# Altium PCB Power_Board_PCB.PcbDoc (part 2 of 3)
Units mm, origin at the board's own origin, x right, y up, seen from the top; angles counter-clockwise.
Board outline 172.72 x 88.9 mm, 2 copper layers (Top Layer, Bottom Layer); 217 components, 117 nets, 695 pads, 319 vias.
Unrouted connection lines stored in the file: 1.
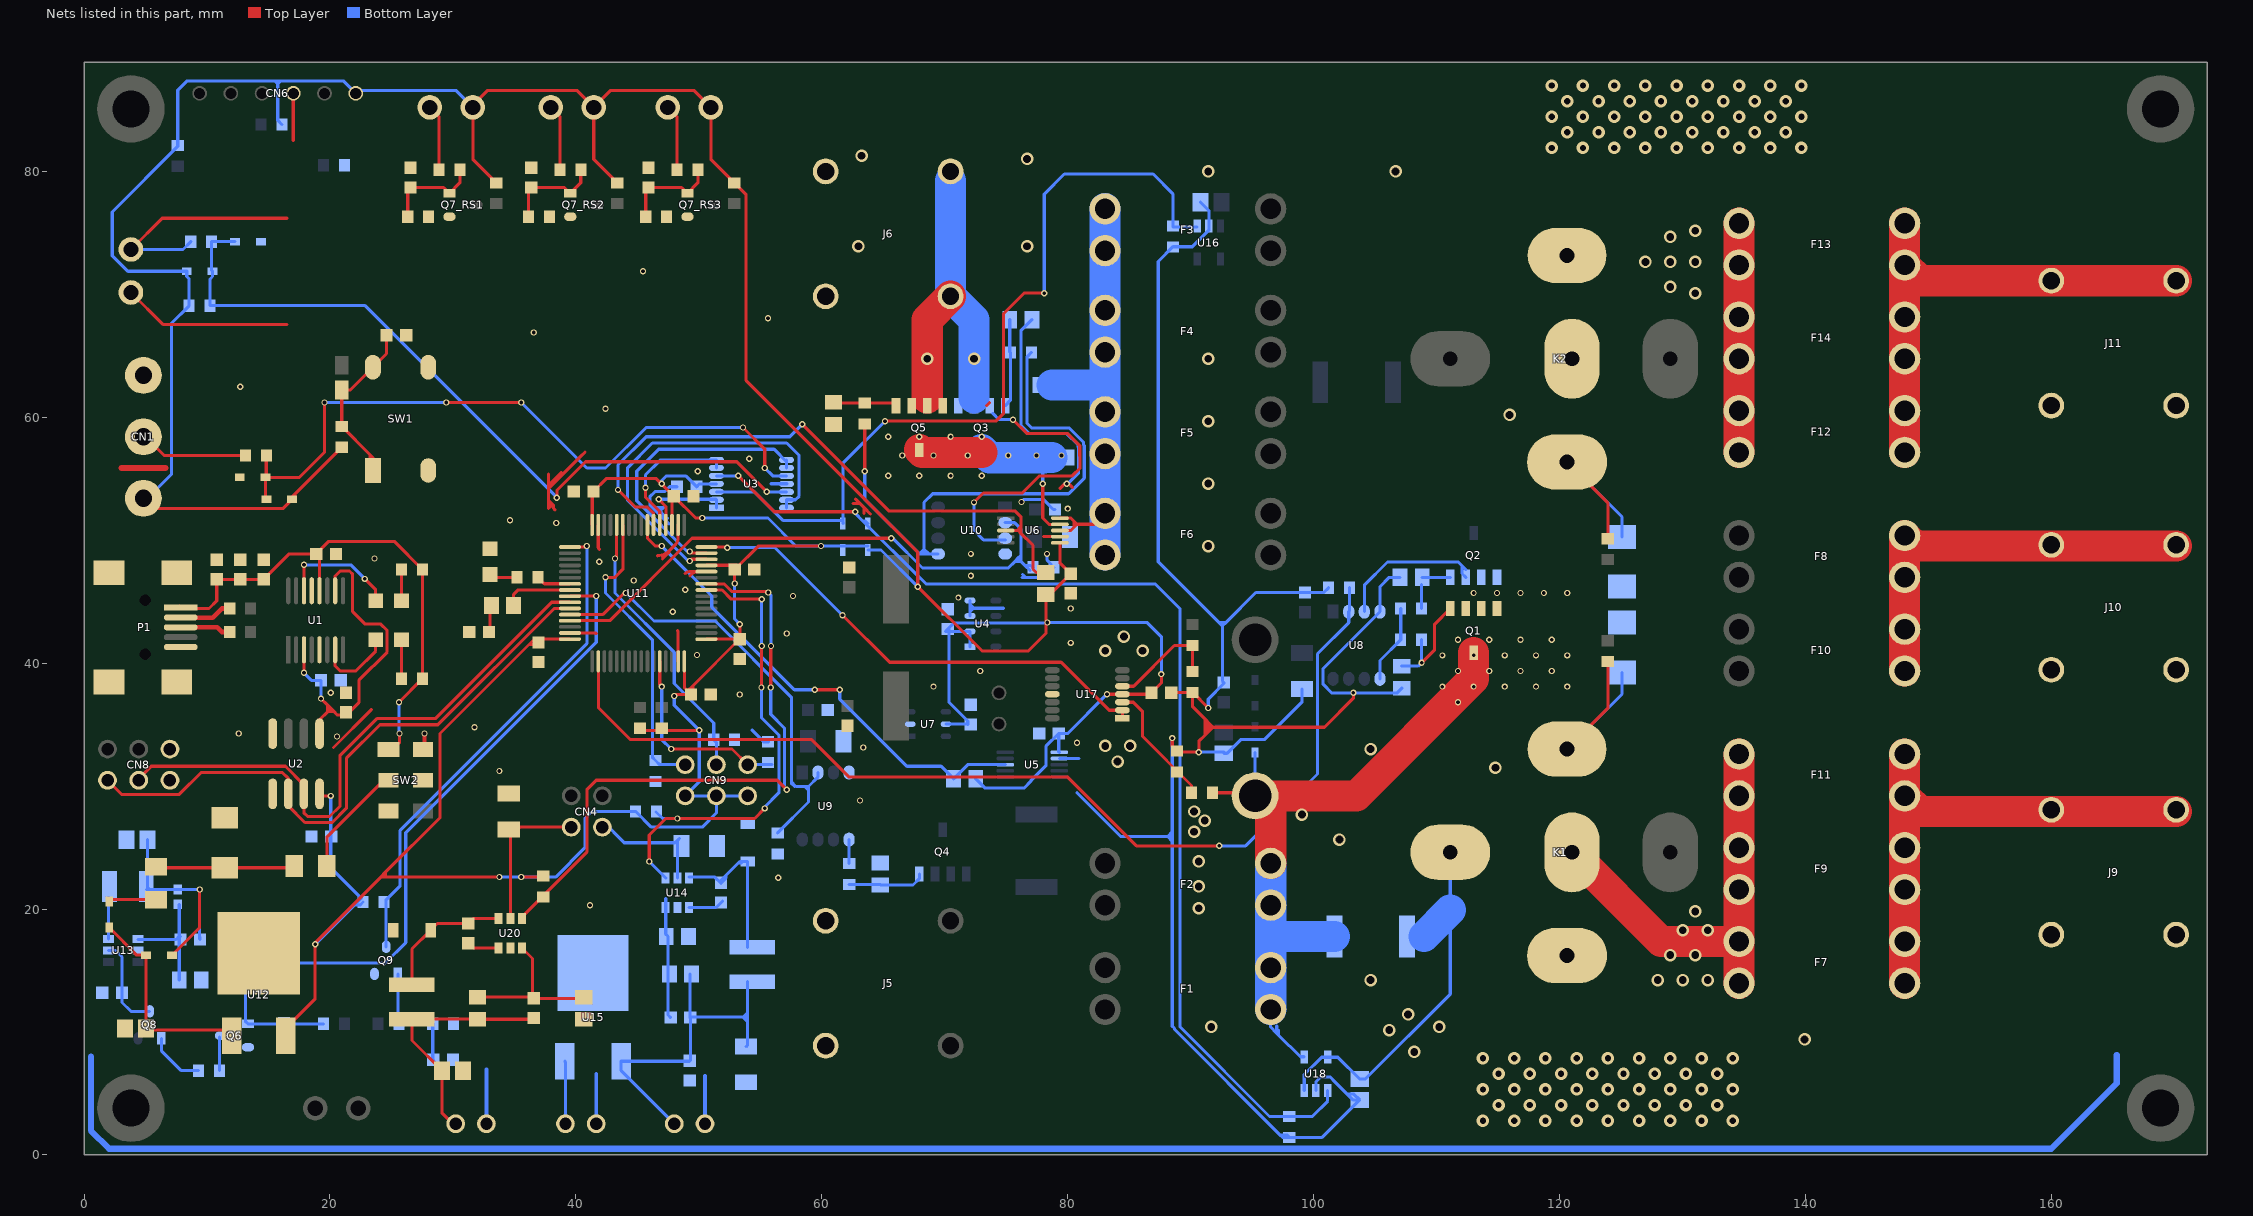
[diagram p2: the nets of this part, all layers, seen from the top]

## Part data
C1 C2 C3 C4 C5 C6 C11 C14 C15 C16 C18 C20 C21 C28_RS1 C28_RS2 C28_RS3 C30 C31 C39 C40: library part "0.1uF 100V 0603 SMD, Ceramic", "Capacitor, Ceramic, 100V, +/- 10%, 0603 SMD, X7R", Supplier Part Number 1=445-6938-1-ND, Created By="Ashwin Sira", MFG=TDK, MFG#=CGA3E3X7S2A104K080AB, PackageDescription="Chip Capacitor", Published=16-04-26, Publisher=AUVic, Supplier 1=Digi-Key
C7 C42 C43 C44: library part "1uF 50V 0603 SMD, Ceramic", "Capacitor, Ceramic, 50V, +/- 10%, 0603 SMD, X5R", Supplier Part Number 1=1276-1860-6-ND, Created By="Lyden Smith", Date Created=2017-10-26, PackageDescription="Chip Capacitor", Supplier 1=Digi-Key
C8 C9 C10 C32: library part "10uF 50V 1206 SMD, Ceramic", "Capacitor, Ceramic, 50V, +/- 10%, 1206 SMD, X5R", Supplier Part Number 1=1276-2876-1-ND, PackageDescription="Chip Capacitor", Published=14-06-01, Publisher=AUVic, Supplier 1=Digi-Key
C12 C13: library part "30pF 50V 0603 SMD, Ceramic", "Capacitor, Ceramic, 50V, +/-1%, 0603 SMD, C0G", Supplier Part Number 1=1276-2259-1-ND, Made by="Andy Bates", PackageDescription="Chip Capacitor", Published=16-09-12, Publisher=AUVic, Supplier 1=Digi-Key
C17 C19 C29: library part "1uF 25V 0603 SMD, Ceramic", "Capacitor, Ceramic, 25V, +/- 10%, 0603 SMD, X5R", Supplier Part Number 1=490-3897-1-ND, Created By="Andy Bates", MFG=Murata-Electronics-North-America, MFG#=GRM188R61E105KA12D, PackageDescription="Chip Capacitor", Published=16-06-27, Publisher=AUVic, Supplier 1=Digi-Key
C22: library part "180pF 50V 0603 SMD, Ceramic", "Capacitor, Ceramic, 50V, +/-5%, 0603 SMD, NP0", Supplier Part Number 1=1276-1255-1-ND, Created By="Lyden Smith", Date Created=2017-09-22, PackageDescription="Chip Capacitor", Supplier 1=Digi-Key
C23 C36: library part "10uF 10V 0805 SMD, Ceramic", "Capacitor, Ceramic, 10V, +/- 10%, 0805 SMD, X5R", Supplier Part Number 1=490-4735-1-ND, Made by="Andy Bates", PackageDescription="Chip Capacitor", Published=14-06-23, Publisher=AUVic, Supplier 1=Digi-Key
C24: library part "2.2uF, 50V, 0603 SMD, X5R, Ceramic", "Capacitor, Ceramic, 50V, 10%, 0603 SMD, X5R", Supplier Part Number 1=490-10733-1-ND, PackageDescription="Chip Capacitor", Publisher=AUVic, Supplier 1=Digi-Key
C25 C41: library part "22uF 35V 0805 SMD, Ceramic", "Capacitor, Ceramic, 35V, +/- 20%, 0805 SMD, X5R", Supplier Part Number 1=445-14428-1-ND, PackageDescription="Chip Capacitor", Published=14-06-01, Publisher=AUVic, Supplier 1=Digi-Key
C26 C27: library part "0.015uF 50V 0603 SMD, Ceramic", "Capacitor, Ceramic, 50V, +/-10%, 0603 SMD, X7R", Supplier Part Number 1=1276-1277-1-ND, Created By="Lyden Smith", Created On=2017-06-04, Supplier 1=Digi-Key
C33: library part "0.33uF 50V 0603 SMD, Ceramic", "Capacitor, Ceramic, 50V, +/- 10%, 0603 SMD, X5R", Supplier Part Number 1=445-7462-1-ND, Created By="Andy Bates", MFG=TDK, MFG#=C1608X5R1H334K080AB, PackageDescription="Chip Capacitor", Published=16-06-29, Publisher=AUVic, Supplier 1=Digi-Key
C34 C37: "CAP CER 0.1UF 50V 10% X7R 1608 (0603)", Capacitance=0.1µF, Manufacturer="Samsung Electro-Mechanics America, Inc", Manufacturer Part Number=CL10B104KB8SFNC, Operating Temperature="-55°C ~ 125°C", Package / Case="0603 (1608 Metric)", Ratings=-, Supplier Part Number 1=1276-1936-1-ND, Temperature Coefficient=X7R, Tolerance=±10%, Voltage - Rated=50V, Applications="Boardflex Sensitive", Category=Capacitors, ComponentLink1Description=http://www.samsungsem.com/servlet/FileDownload?type=spec&file=CL10B104KB8SFNC.pdf, ComponentLink1URL=http://www.samsungsem.com/servlet/FileDownload?type=spec&file=CL10B104KB8SFNC.pdf, Features="Soft Termination", Height - Seated (Max)=-, Lead Spacing=-, Lead Style=-, Mounting Type="Surface Mount, MLCC", Packaging="Cut Tape (CT)", Pricing 1="1=0.12, 10=0.033, 25=0.0232, 100=0.0152, 500=0.01064, 1000=0.00829 (CAD)", RoHS="RoHS Compliant", Size / Dimension="0.063\" L x 0.031\" W (1.60mm x 0.80mm)", Stock 1=743572, Supplier 1=Digi-Key, Thickness (Max)="0.035\" (0.90mm)"
C35 C38: library part "4.7uF 50V 1206 SMD, Ceramic", "Capacitor, Ceramic, 50V, +/- 10%, 1206 SMD, X7R", Supplier Part Number 1=587-2994-1-ND, Created By="Lyden Smith", Created On=2017-06-04, Supplier 1=Digi-Key
C45 C46: library part "0.1uF 16V 0603 SMD, Ceramic", "Capacitor, Ceramic, 16V, +/- 10%, 0603 SMD, X7R", Supplier Part Number 1=1276-1005-1-ND, Created By="Andy Bates", PackageDescription="Chip Capacitor", Published=16-04-26, Publisher=AUVic, Supplier 1=Digi-Key
C47 C48: library part "0.1uF 50V 0805 SMD, Ceramic", "Capacitor, Ceramic, 50V, +/-5%, 0805 SMD, X7R", Supplier Part Number 1=1276-1090-1-ND, PackageDescription="Chip Capacitor", Published=2016-03-16, Publisher=AUVic, Supplier 1=Digi-Key
CN1: Supplier Part Number 1=277-1578-ND, Date Published=2014-06-03, Publisher="AUVic, Ashwin Sira", Supplier 1=Digi-Key
CN2 CN3 CN5: Supplier Part Number 1=455-2934-ND, Created By="Lyden Smith", Created On=2018-01-27, Supplier 1=Digi-Key, Supplier 2=Digi-Key, Supplier Part Number 2=455-1611-ND
CN6: library part "Header, Male, 1x6", "1x6, Pads Pitch: 0.1\" (2.54mm), Through hole", Supplier 1 Part Number=952-2270-ND, Made Bates="Andy Bates", Supplier 1=Digikey
D1 D4 D5 D6 D7 D8 D11 D12: "Diode, Schottky, 30V, 800mA", Created By="Andy Bates", Date Created=2016-09-09, Publisher=AUVic, Supplier 1=Digi-Key, Supplier Part Number 1=CUS08F30H3FCT-ND
D2 D9: library part "LED, 0805 (2012), Green, Clear", "LED, 0805 (2012), Green, Clear", Supplier Part Number 1=475-1410-1-ND, Colour=Red, Created By="Andy Bates", Supplier 1=Digi-Key
D3: library part "LED, 0805 (2012), Red, Clear", "LED, 0805 (2012), Red, Clear", Supplier Part Number 1=732-4984-1-ND, Colour=Red, Created By="Ashwin Sira", Supplier 1=Digi-Key
D10: library part "LED, 0603 (1608), Blue, Clear", "LED, 0603 (1608), Blue, Clear", Supplier Part Number 1=475-2816-6-ND, Colour=Blue, Created By="Lyden Smith", Date Created=2017-09-19, Supplier 1=Digi-Key
D13 D16: "Diode, Schottky, 60V, 2A", Supplier Part Number 1=RB060M-60CT-ND, Created By="Lyden Smith", Date Created=2017-06-02, Supplier 1=Digi-Key
D14 D15: "Diode, Schottky, 20V, 30mA", Supplier Part Number 1=DB2J31400LCT-ND, Created By="Ashwin Sira", Date Created=2016-06-08, Publisher=AUVic, Supplier 1=Digi-Key
D17 D18: Forward Voltage Drop=1.1V, Supplier Part Number 1=P15187CT-ND, Created By="Andy Bates", Date Created=2016-09-08, Publisher=AUVic, Supplier 1=Digi-Key
D19: library part SMBJ5340B-TPMSCT-ND, "DIODE ZENER 6V 5W DO214AA", Supplier Part Number 1=SMBJ5340B-TPMSDKR-ND, Zener Voltage=6V, Created By="Lyden Smith", Created On=2018-01-25, Supplier 1=Digi-Key
F1 F2 F3 F4 F5 F6 F7 F8 F9 F10 F11 F12 F13 F14: library part "MINI, ATC, ATO, etc. Blade Fuse", "Blade Fuse Holder, 30A", Supplier Part Number 1=36-3557-2-ND, Created By="Lyden Smith", Date Created=2018-01-11, Supplier 1=Digi-Key, Type=MINI
F15 F16: library part "SMD Fuse, 250mA, 63V, 1206", "SMD Fuse, 250mA, 63V, 1206", Supplier Part Number 1=507-1073-6-ND, Created By="Lyden Smith", Date Created=2018-02-05, Supplier 1=Digi-Key, Type=SMD
J1 J3_RS1 J3_RS2 J3_RS3 J4: library part "2x1 Terminal Block", Supplier Part Number 1=ED2740-ND, Made by="Andy Bates", Supplier 1=Digikey
J5 J6 J9 J10 J11: library part "2x1 Terminal Block, 65A, 6-20AWG", Supplier Part Number 1=283-4339-ND, Date Made=2017-11-13, Made by="Lyden Smith", Supplier 1=Digi-Key
JP1: library part "1x2 Male Header", Supplier 1 Part Number=952-3073-ND, Made by="Andy Bates", Supplier 1=Digikey
K1 K2: library part "Relay, 1 Form C, SPDT, 24V, 40A", "Relay, 1 Form C, SPDT, 24V, 40A", Supplier Part Number 1=PB1042-ND, Supplier 1=Digi-Key
L1: library part CB2518T151K, "150µH 210mA 4.6Ohm", Supplier Part Number 1=587-3037-6-ND, Created By="Lyden Smith", Created On=2017-06-05, Supplier 1=Digi-Key
L2: library part NR4018T100M, "10uH 840mA", Supplier Part Number 1=587-1664-1-ND, Created By="Lyden Smith", Created On=2017-06-04, Supplier 1=Digi-Key
L3: library part NR4018T6R8M, "6.8uH 1.06A", Supplier Part Number 1=587-2657-1-ND, Created By="Lyden Smith", Created On=2017-06-02, Supplier 1=Digi-Key
MH1 MH2 MH3 MH4: library part Mount_Hole_3mm
P1: "Mini B USB Port - Female", Supplier Part Number 1=151-1206-1-ND, Created By="Gabriel Green", Created On="July 5, 2017", Supplier 1=Digi-Key
Q1 Q2 Q3 Q4 Q5: "MOSFET N-Channel, 40V, 100A, 272W, Enh-Mode", Supplier Part Number 1=568-10156-1-ND, Created By="Ashwin Sira", Latest_Revision_By="Ashwin Sira", Latest_Revision_Date=2016_04_26, Latest_Revision_Note="Attached footprint", MFG="NXP Semiconductors", MFG#=PSMN1R8-40YLC,115, Publisher=AUVic, Reviewed_By="Ashwin Sira", Reviewed_Date=2016_04_26, Supplier 1=Digi-Key
Q6 Q7_RS1 Q7_RS2 Q7_RS3 Q9: "NPN 65V 100mA 250mW", Supplier Part Number 1=568-1632-1-ND, DatasheetVersion=1997, LatestRevisionDate=09-Sep-2016, Published=8-Jun-2000, Publisher="Andy Bates", Supplier 1=Digi-Key
Q8: "PNP 65V 100mA 250mW", Supplier Part Number 1=568-4869-1-ND, LatestRevisionDate=15-Jan-2003, Published=8-Jun-2000, Supplier 1=Digi-Key
R1 R13 R14 R19 R21 R22 R23 R25 R30_RS1 R30_RS2 R30_RS3 R31_RS1 R31_RS2 R31_RS3 R32_RS1 R32_RS2 R32_RS3 R56 R57 R60 R61 R62: library part "10kR, 1%, 1/10W, 0603 SMD", "10kR, 1%, 1/10W, 0603 SMD", Supplier Part Number 1=311-10.0KHRCT-ND, Created On=14-05-31, Last Edited=14-05-31, Made by="Ashwin Sira", Owned By=AUVic, Supplier 1=Digi-Key
R2 R4 R7: library part "1kR, 1%, 1/10W , 0603, SMD", "1kR, 1%, 1/10W , 0603, SMD", Supplier Part Number 1=311-1.00KHRCT-ND, Created By="Andy Bates", Date Created=2017-05-10, Publisher=AUVic, Supplier 1=Digikey
R3: library part "100R, 1%, 1/10W, 0603 SMD", "100R, 1%, 1/10W, 0603 SMD", Supplier Part Number 1=311-100HRCT-ND, Created On=16-09-10, Last Edited=16-09-10, Made by="Andy Bates", Owned By=AUVic, Supplier 1=Digi-Key
R5 R6 R44 R45 R49 R50 R51: library part "100kR, 1%, 1/4W, 0805 SMD", "100kR, 1%, 1/4W, 0805 SMD", Supplier Part Number 1=311-1.00MCRCT-ND, Created On=14-05-31, Last Edited=14-05-31, Made by="Ashwin Sira", Owned By=AUVic, Supplier 1=Digi-Key
R8 R9 R11 R12: library part "0.0003R, 1%, 3W, 2512 SMD", "0.0003R, 1%, 3W, 2512 SMD", Created On=14-05-31, Last Edited=14-05-31, Made by="Ashwin Sira", Owned By=AUVic, Supplier 1=Digi-Key
R10 R41: library part "27 Ohm, 1%, 1/10W , 0603, SMD", "27 Ohm, 1%, 1/10W , 0603, SMD", Supplier Part Number 1=311-27.0HRCT-ND, Created By="Andy Bates", Date Created=2017-10-13, Publisher=AUVic, Supplier 1=Digi-Key
R15 R16: library part "3.32k, 1%, 1/10W, 0603, SMD", "3.32k, 1%, 1/10W, 0603, SMD", Supplier Part Number 1=RMCF0603FT3K32CT-ND, Created By="Ashwin Sira", Date Created=2016-06-25, Publisher=AUVic, Supplier 1=Digi-Key
R17: library part "715R, 1%, 1/10W, 0603, SMD", "715R, 1%, 1/10W, 0603, SMD", Supplier Part Number 1=541-715HCT-ND, Created By="Ashwin Sira", Date Created=2016-06-10, Publisher=AUVic, Supplier 1=Digi-Key
R18 R39: library part "680, 5%, 1/8W, 0805 SMD", "680, 5%, 1/8W, 0805 SMD", Supplier Part Number 1=RMCF0805JT680RCT-ND, Created By="Lyden Smith", Created On=2017-06-04, Supplier 1=Digi-Key
R20 R24 R26 R27 R28 R29: library part "100kR, 1%, 1/10W, 0603 SMD", "100kR, 1%, 1/10W, 0603 SMD", Supplier Part Number 1=311-100KGRCT-ND, Created On=14-06-30, Last Edited=14-06-30, Made by="Andy Bates", Owned By=AUVic, Supplier 1=Digi-Key
R33: library part "140kR, 1%, 1/16W, 0402, SMD", "140kR, 1%, 1/16W, 0402, SMD", Supplier Part Number 1=YAG2978CT-ND, Created By="Lyden Smith", Date Created=2017-09-22, Publisher=AUVic, Supplier 1=Digi-Key
R34: library part "24k, 5%, 1/8W, 0805 SMD", "24k, 5%, 1/8W, 0805 SMD", Supplier Part Number 1=RMCF0805JT24K0CT-ND, Created By="Lyden Smith", Created On=2017-06-04, Supplier 1=Digi-Key
R35: library part "510, 5%, 1/8W, 0805 SMD", "510, 5%, 1/8W, 0805 SMD", Supplier Part Number 1=RMCF0805JT510RCT-ND, Created By="Lyden Smith", Created On=2017-06-04, Supplier 1=Digi-Key
R36: library part "7.5k, 5%, 1/8W, 0805 SMD", "7.5k, 5%, 1/8W, 0805 SMD", Supplier Part Number 1=311-7.5KARCT-ND, Created By="Lyden Smith", Created On=2017-06-04, Supplier 1=Digi-Key
R37 R38: library part "453kR, 1%, 1/10W, 0603 SMD_1", "453kR, 1%, 1/10W, 0603 SMD", Supplier Part Number 1=311-453KHRDKR-ND, Created By="Lyden Smith", Date Created=2017-10-13, Supplier 1=Digi-Key
R40: library part "3.9k, 5%, 1/8W, 0805 SMD", "3.9k, 5%, 1/8W, 0805 SMD", Supplier Part Number 1=RMCF0805JT3K90CT-ND, Created By="Lyden Smith", Created On=2017-06-04, Supplier 1=Digi-Key
R42 R43 R46 R47 R48 R58 R59: library part "20.5 Ohm, 1%, 1/10W , 0603, SMD", "20.5 Ohm, 1%, 1/10W , 0603, SMD", Supplier Part Number 1=P20.5HCT-ND, Created By="Gabriel Green", Date Created=2017-06-23, Publisher=AUVic, Supplier 1=Digi-Key
R52 R53: library part "20k, 1%, 1/10W, 0603, SMD", "20k, 1%, 1/10W, 0603, SMD", Supplier Part Number 1=311-20.0KHRCT-ND, Created By="Andy Bates", Date Created=2016-09-8, Publisher=AUVic, Supplier 1=Digi-Key
R54 R55: library part "90.9k, 1%, 1/10W, 0603, SMD", "90.9k, 1%, 1/10W, 0603, SMD", Supplier Part Number 1=311-90.9KHRDKR-ND, Created By="Andy Bates", Date Created=2017-06-06, Publisher=AUVic, Supplier 1=Digikey
SW1: library part "4 pin Tacitle Switch", Supplier 1 Part Number=CKN9084CT-ND, Button Type="Single Pole Single Throw", Made by="Andy Bates", Supplier 1=Digikey
SW2: library part "DPDT, 12V, 200mA, SMT", "DPDT, 12V, 200mA, SMT", Supplier Part Number 1=563-1338-1-ND, Created By="Lyden Smith", Date Created=2017-09-20, Supplier 1=Digi-Key
U1: library part "FTDI - USB to UART", Supplier Part Number 1=768-1135-1-ND, Created By="Gabriel Green", Created On="July 5th, 2017", Supplier 1=Digi-Key
U2: library part "UART Isolators 1Mbps 2.7-5.5V", "UART Isolators 1/1 1Mbps", Supplier Part Number 1=SI8422AB-D-IS-ND, Created On=2017/09/10, Made by="Andy Bates", Supplier 1=Digi-Key
U3 U17: "LM324", Supplier Part Number 1=497-13053-1-ND, Created By=Silvano, Creation Date=05/10/2017, Supplier 1=Digi-Key
U4: library part "MS560702BA03-50 Pressure Sensor", "1kPa to 120 kPa", Supplier Part Number 1=223-1198-6-ND, Created On=2017-09-11, Made by="Andy Bates", Supplier 1=Digi-Key
U5 U6: library part "INA226AIDGSR, Current Sensor, High Side", "0-36V High side current sensor", Supplier 1 Part Number=296-29034-1-ND, Created On=2016-09-06, Made by="Andy Bates", Supplier 1=Digikey, Supplier 2=Digi-Key, Supplier Part Number 2=296-29034-1-ND
U7: library part Si700XX, Supplier Part Number 1=336-3140-5-ND, Created On=2019/09/08, Made by="Andy Bates", Supplier 1=Digi-Key
U8 U9 U10: library part "Gate Driver TTL Logic 3 - 30V", Supplier Part Number 1=576-1233-1-ND, Supplier 1=Digi-Key
U11: Supplier 1 Part Number=497-15167-ND, Made by="Andy Bates", Supplier 1=Digikey
U12: library part "3.3V TO-252 Linear Regulator", Supplier Part Number 1=LP2950ACDT-3.3RGOSCT-ND, Supplier 1=Digi-Key
U13: "Adjustable Buck, 100mA, SOT-23", Supplier Part Number 1=RT6208GECT-ND, Created By="Lyden Smith", Created On=2017-06-05, Supplier 1=Digi-Key
U14 U20: library part BD9G101G-TR, "DC-DC Regulator, 6V-42V in, 1V-29.4V out, 500mA", Supplier Part Number 1=BD9G101G-CT-ND, Supplier 1=Digi-Key
U15: library part MC78M09CDTRKG, "9V Linear Regulator, 500mA", Supplier Part Number 1=MC78M09CDTRKGOSCT-ND, Created By="Lyden Smith", Created On=2017-06-05, Supplier 1=Digi-Key
U16 U18: Supplier Part Number 1=296-36536-1-ND, Created By="Jacob Lower", Created On=2016-03-16, Publisher=AUVic, Supplier 1=Digi-Key
X1: library part "Oscillator 8MHz 40ESR", "8Mhz 40ESR  16pF -20°C ~ 70°C", Supplier Part Number 1=GC0800044CT-ND, Date Made=2017-09-18, Made by="Lyden Smith", Supplier 1=Digi-Key
CN4: Created By="Lyden Smith", Date Published=2018-01-27, Publisher=AUVic
CN8 CN9: Created By="Andy Bates", Date Published=2017-09-13, Publisher=AUVic
J2: Created By="Lyden Smith", Created On=2018-01-29
SB1: Created On=2016/09/08, Made by="Andy Bates"

## Via types
v1: diameter 0.508, hole 0.3, Top Layer to Bottom Layer, 182 vias
v2: diameter 1.016, hole 0.508, Top Layer to Bottom Layer, 86 vias
v3: diameter 1.016, hole 0.635, Top Layer to Bottom Layer, 51 vias

## Nets (pads, with @x,y where several pads share a name; then routed paths per layer and width w, separated by ;. In a path a pad name is that pad's centre, name@x,y a point inside that pad or via, vN(x,y) a via of type N, cw(c..) or ccw(c..) an arc to the next point about the centre after c; other vN are vias at no path point)
3V3: C3.2 C4.2 C5.2 C6.2 C14.2 C15.2 C16.2 C17.2 C18.2 C19.2 C40.2 C45.2 C46.2 CN1.1 CN6.1 CN9.4 CN9.5 CN9.6 D1.K D4.K D14.1 D15.1 J3_RS1.1 J3_RS2.1 J3_RS3.1 R1.2 R5.2 R6.2 R14.2 R15.1 R16.1 R19.2 R20.2 R28.2 R32_RS1.2 R32_RS2.2 R32_RS3.2 R52.2 R53.2 U2.8 U3.4 U4.1 U4.2 U5.6 U6.6 U7.5 U11.1 U11.13 U11.19 U11.32 U11.48 U11.64 U12.3 U17.4 | length 437.7
  Top Layer w0.254: CN1.1@5.08,53.34 5.842,52.578 16.163,52.578 D4.K@16.925,53.34 ; U12.3@16.764,10.668 18.796,12.7 v1(18.796,17.145) 18.796,17.272 24.13,22.606 ; U2.8@19.152,29.376 19.318,29.21 v1(20.066,29.21) ; R20.2@20.955,57.57 17.145,53.76 ; R32_RS1.2@33.528,79.082 31.623,80.987 J3_RS1.1@31.623,85.217 31.623,85.383 32.838,86.598 40.077,86.598 J3_RS2.1@41.458,85.217 ; v1(33.782,22.606) 24.511,22.606 ; v1(35.56,22.606) 37.25,22.606 R52.2@37.338,22.694 R52.2@37.592,22.948 ; C17.2@36.83,41.948 C17.2@36.852,41.97 ; C17.2@36.957,41.694 cw(c36.559,42.092) 36.559,41.529 36.195,41.529 ; U11.48@39.535,41.97 C17.2@36.852,41.97 ; U11.32@41.335,51.27 41.335,53.87 C19.2@41.44,53.975 42.478,55.013 46.549,55.013 v1@46.99,54.572 ; R32_RS2.2@43.363,79.082 41.458,80.987 J3_RS2.1@41.458,85.217 ; R16.1@45.212,34.71 45.378,34.544 v1(50.038,34.544) ; v1(46.99,54.61) v1@46.99,54.572 ; U11.19@47.835,51.27 47.835,53.461 C18.2@47.968,53.594 ; v1(48.006,37.338) 48.133,37.465 C16.2@49.365,37.465 ; U11.64@48.835,40.17 48.835,37.995 C16.2@49.1,37.73 ; v1(50.292,51.816) 49.746,51.816 C18.2@47.968,53.594 ; U11.1@50.635,41.97 C14.2@53.318,41.97 ; U11.13@50.635,47.97 53.012,47.97 C15.2@53.048,48.006 ; v1(52.921,46.482) C15.2@52.921,47.625 54.826,49.53 v1(59.944,49.53) ; v1(53.34,43.18) C14.2@53.34,41.948 C14.2@53.318,41.97 ; v1(78.359,43.307) v1@78.232,43.434 ; U6.6@79.375,49.8 79.375,48.171 C6.2@80.264,47.282 78.564,45.582 R6.2@78.232,45.582 v1@78.232,43.434 ; v1(83.2,37.48) U17.4@84.455,37.48 86.718,37.48 C45.2@86.83,37.592 87.63,38.392 v1(87.63,39.116) ; D4.K@16.925,53.34 17.145,53.56 17.145,53.76 ; D4.K@16.925,53.34 16.925,53.54 17.145,53.76 ; 24.13,22.606 24.511,22.606 ; 24.13,22.606 24.511,22.987 ; 24.511,22.606 24.511,22.987 ; 24.511,22.987 28.956,27.432 28.956,34.29 36.195,41.529 ; 36.195,41.529 36.636,41.97 C17.2@36.852,41.97 ; J3_RS2.1@41.458,85.217 42.839,86.598 49.602,86.598 J3_RS3.1@50.983,85.217 50.983,80.987 R32_RS3.2@52.888,79.082 53.848,78.122 53.848,62.992 67.818,49.022 v1(67.818,46.228) 73.05,40.996 76.81,40.996 78.232,42.418 v1@78.232,43.434 ; v1@46.99,54.572 C18.2@47.968,53.594 ; C16.2@49.1,37.73 49.1,37.752 49.53,38.182 ; C16.2@49.1,37.73 C16.2@49.365,37.465 ; C16.2@49.365,37.465 49.53,37.63 49.53,38.182 ; 49.53,38.182 C14.2@53.318,41.97
  Bottom Layer w0.254: CN1.1@5.08,53.34 7.112,55.372 7.112,67.652 R1.2@8.548,69.088 8.548,71.255 8.348,71.455 D1.K@8.348,71.882 3.556,71.882 2.286,73.152 2.286,76.708 7.62,82.042 R19.2@7.62,82.13 7.62,86.614 8.382,87.376 15.494,87.376 ; R14.2@16.09,83.82 15.748,84.162 15.748,87.122 ; v1(18.796,17.145) 21.971,20.32 ; v1(20.066,29.21) 20.066,23.368 22.543,20.892 21.971,20.32 ; R28.2@22.684,20.574 22.43,20.32 21.971,20.32 ; J3_RS1.1@31.623,85.217 30.242,86.598 22.098,86.598 CN6.1@22.098,86.36 21.082,87.376 16.002,87.376 ; v1(33.782,22.606) v1(35.56,22.606) 38.354,22.606 40.767,25.019 40.767,27.397 41.31,27.94 R53.2@44.87,27.94 46.14,26.67 50.292,26.67 51.435,27.813 CN9.5@51.435,29.21 ; v1(46.99,54.61) 46.99,54.864 47.371,55.245 48.933,55.245 C46.2@49.822,54.356 50.061,54.595 U3.4@51.435,54.595 ; v1(48.006,37.338) 48.006,36.576 v1(50.038,34.544) 50.038,30.353 CN9.6@48.895,29.21 CN9.5@51.435,29.21 ; v1(50.292,51.816) 55.626,51.816 57.912,49.53 v1(59.944,49.53) D15.1@63.754,49.53 ; v1(52.921,46.482) 52.921,43.599 v1(53.34,43.18) ; CN9.4@53.975,29.21 CN9.5@51.435,29.21 ; D15.1@63.754,49.217 64.829,49.217 v1(67.818,46.228) ; U7.5@70.104,35.052 71.844,35.052 71.882,35.014 71.882,35.306 70.358,36.83 C3.2@70.358,42.596 ; U4.1@72.068,41.346 U4.2@72.068,42.596 C3.2@70.358,42.596 ; R5.2@72.528,30.607 73.29,29.845 76.454,29.845 77.013,30.404 77.013,30.441 78.232,31.66 78.232,33.236 C4.2@79.286,34.29 ; U5.6@79.33,32.75 79.286,32.794 C4.2@79.286,34.29 ; v1(83.2,37.48) 80.01,34.29 C4.2@79.286,34.29 ; v1(87.63,39.116) 87.63,42.164 86.487,43.307 v1(78.359,43.307) 78.318,43.266 70.736,43.266 C3.2@70.358,42.888 ; 15.494,87.376 15.748,87.122 ; 15.494,87.376 15.748,87.376 ; 15.748,87.122 16.002,87.376 ; 15.748,87.122 15.748,87.376 ; 15.748,87.376 16.002,87.376 ; C3.2@70.358,42.596 C3.2@70.358,42.888 ; C3.2@70.358,42.596 70.066,42.596 C3.2@70.256,42.786 C3.2@70.358,42.888
3V3-USB: C2.2 C39.2 U1.3 U1.10 U2.1 | length 28.7
  Top Layer w0.254: v1(17.882,39.218) U1.3@17.882,41.097 ; U2.1@19.152,34.276 19.152,35.408 19.812,36.068 ; v1(19.266,37.122) 19.812,36.576 ; U1.10@20.422,45.897 20.422,47.092 20.828,47.498 21.59,47.498 21.844,47.244 21.844,44.196 22.86,43.18 24.13,43.18 24.645,42.665 24.645,40.901 22.352,38.608 22.352,36.792 21.336,35.776 20.651,35.776 ; 20.612,35.776 20.256,36.131 ; 19.812,36.068 20.256,36.068 20.256,36.131 ; 19.812,36.068 19.998,36.254 20.134,36.254 ; 19.812,36.068 19.812,36.576 ; 19.812,36.576 20.134,36.254 ; 20.134,36.254 20.256,36.131
  Bottom Layer w0.254: v1(17.882,39.218) 18.491,38.608 C2.2@19.266,38.608 v1(19.266,37.122)
5V: C36.2 C37.1 CN2.1 L3.2 R40.1 | length 20.2
  Top Layer w0.254: CN2.1@30.226,2.286 29.122,3.39 C36.2@29.122,6.858 26.67,9.31 L3.2@26.67,11.046 31.996,11.046 R40.1@32.004,11.038 36.476,11.038 C37.1@36.576,11.138
5V5: C22.2 C23.2 D12.A L1.2 R33.2 | length 19.3
  Top Layer w0.254: D12.A@7.146,16.256 9.398,18.508 v1(9.398,21.59)
  Bottom Layer w0.254: L1.2@5.08,21.59 L1.2@5.334,21.59 ; C23.2@5.168,25.654 5.168,21.756 L1.2@5.334,21.59 ; L1.2@5.334,21.59 R33.2@7.62,21.59 v1(9.398,21.59) 9.398,18.034 ; 9.398,18.034 C22.2@9.436,17.526 9.398,17.564 9.398,18.034
5V-HW-En: C35.2 CN4.4 U20.5 | length 12.2
  Top Layer w0.254: U20.5@34.671,19.234 34.671,25.908 35.433,26.67 39.116,26.67 CN4.4@39.624,27.178
5V-USB: C1.2 C29.2 C30.2 C31.2 P1.1 R2.2 R7.2 SW2.6 U1.12 | length 43.2
  Top Layer w0.254: P1.1@7.755,44.64 7.945,44.45 10.16,44.45 10.795,45.085 C29.2@10.795,46.825 C30.2@12.7,46.825 C31.2@14.605,46.825 16.675,48.895 C1.2@18.885,48.895 ; U1.12@19.152,45.897 19.152,48.628 C1.2@18.885,48.895 ; SW2.6@24.762,32.98 25.106,32.98 25.654,33.528 v1(25.654,34.29) ; v1(25.615,36.83) R7.2@27.52,38.735 R2.2@27.52,47.625 25.234,49.911 19.901,49.911 C1.2@18.885,48.895
  Bottom Layer w0.254: v1(25.615,36.83) 25.615,34.329 v1(25.654,34.29)
9V: CN3.1 U15.3 | length 5.4
  Bottom Layer w0.254: U15.3@39.108,7.62 39.156,7.572 CN3.1@39.156,2.54 CN3.1@39.156,2.286
12V: C32.2 C33.2 C34.1 CN5.1 L2.2 R36.1 U15.1 | length 31
  Bottom Layer w0.254: CN5.1@48.006,2.286 CN5.1@48.006,2.54 43.688,6.858 U15.1@43.688,7.62 49.238,7.62 C33.2@49.276,7.658 49.314,7.696 C34.1@49.314,11.176 C34.1@49.276,11.214 ; C34.1@49.276,11.176 C34.1@49.276,11.214 ; R36.1@49.276,14.732 C34.1@49.276,11.214 ; C32.2@53.848,8.816 53.975,8.943 53.975,10.833 ; L2.2@53.975,14.094 53.975,11.595 ; C34.1@49.276,11.214 53.594,11.214 ; 53.594,11.214 53.975,10.833 ; 53.594,11.214 53.975,11.214 ; 53.594,11.214 53.975,11.595 ; 53.975,10.833 53.975,11.214 ; 53.975,11.214 53.975,11.595
12V-HW-En: C38.2 CN4.3 U14.5 | length 10.4
  Bottom Layer w0.254: CN4.3@42.164,27.178 43.942,25.4 48.08,25.4 48.424,25.744 48.334,25.654 48.26,25.58 U14.5@48.26,22.536
Battery1: F7.2 F9.2 F11.2 K1.87a | length 35.2
  Top Layer w2.54: K1.87a@121.032,24.62 128.282,17.37 131.064,17.37 F7.2@134.62,17.37 ; F7.2@134.62,13.97 F7.2@134.62,17.37 ; F11.2@134.62,32.61 F11.2@134.62,29.21 F9.2@134.62,24.99 F9.2@134.62,21.59 F7.2@134.62,17.37
  other v3: 128.016,14.224 130.048,14.224 132.08,14.224 129.032,16.256 131.064,16.256 130.048,18.288 132.08,18.288 131.064,19.812
Battery2: F12.2 F13.2 F14.2 K2.87a | length 18.6
  Top Layer w2.54: F12.2@134.62,57.15 F12.2@134.62,60.55 F14.2@134.62,64.77 F14.2@134.62,68.17 F13.2@134.62,72.39 F13.2@134.62,75.79
  other v3: 131.064,70.104 129.032,70.612 127,72.644 129.032,72.644 131.064,72.644 129.032,74.676 131.064,75.184
BLUE: R18.2 U11.40 | length 5.7
  Top Layer w0.254: R18.2@34.936,44.704 34.936,45.604 35.302,45.97 U11.40@39.535,45.97
BOOT0: CN9.3 R23.2 U11.60 | length 16.3
  Top Layer w0.254: U11.60@46.823,40.158 46.823,38.267 v1(46.99,38.1) ; v1(47.752,33.02) 52.705,33.02 CN9.3@53.975,31.75
  Bottom Layer w0.254: v1(46.99,38.1) 46.99,33.782 v1(47.752,33.02) ; CN9.3@53.975,31.75 R23.2@55.968,31.75
Con_USB_Data_N: P1.2 R10.1 | length 4.3
  Top Layer w0.381: P1.2@7.907,43.688 10.448,43.688 11.21,44.45 R10.1@11.85,44.45
Con_USB_Data_P: P1.3 R41.1 | length 4.1
  Top Layer w0.381: P1.3@7.857,42.921 10.834,42.921 11.21,42.545 R41.1@11.85,42.545
GND: C3.1 C4.1 C5.1 C6.1 C7.1 C8.1 C9.1 C10.1 C11.1 C12.1 C13.1 C14.1 C15.1 C16.1 C17.1 C18.1 C19.1 C20.1 C21.1 C23.1 C24.1 C25.1 C28_RS1.1 C28_RS2.1 C28_RS3.1 C32.1 C33.1 C35.1 C36.1 C38.1 C40.1 C41.1 C42.1 C43.1 C44.1 C45.1 C46.1 C47.1 C48.1 CN1.3 CN2.2 CN3.2 CN5.2 CN6.3 CN8.4 D5.A D6.A D9.1 D10.1 D13.A D16.A D17.1 D18.1 D19.A J1.2 J5.1 J6.2 J9.1 J10.1 J11.1 K1.85 K2.86 Q6.2 Q7_RS1.2 Q7_RS2.2 Q7_RS3.2 Q9.2 R13.1 R21.1 R22.1 R23.1 R29.1 R31_RS1.1 R31_RS2.1 R31_RS3.1 R34.1 R35.1 R37.1 R38.1 R39.1 R44.1 R45.1 R49.1 R50.1 R51.1 R56.2 R57.2 R60.2 R61.2 R62.2 SW1.3 SW1.4 SW2.2 SW2.4 U2.5 U3.11 U4.3 U4.4 U5.7 U6.7 U7.2 U8.4 U9.4 U10.4 U11.12 U11.18 U11.31 U11.47 U11.63 U12.1 U13.2 U14.2 U15.4 U16.2 U17.11 U18.2 U20.2 | length 459.9
  Top Layer w0.254: J1.2@3.81,70.16 6.406,67.564 16.51,67.564 ; 37.77,52.603 37.77,53.255 ; 37.77,55.397 37.77,54.458 ; 37.948,52.73 37.948,53.077 ; 38.291,52.489 38.193,52.587 38.193,52.832 37.948,53.077 ; U11.47@39.523,42.458 41.559,42.458 cw(c41.559,42.321) 41.656,42.418 ; 40.742,57.175 40.411,56.845 40.4,56.845 38.811,55.257 ; U11.31@41.823,51.258 41.823,49.486 ccw(c42.12,49.486) 41.91,49.276 ; 46.634,48.743 ccw(c46.634,50.092) 47.588,49.138 ; 47.041,48.489 47.516,48.964 ccw(c47.343,49.138) 47.588,49.138 ; 47.117,48.666 47.588,49.138 ; 48.26,42.672 cw(c48.108,42.52) 48.323,42.52 U11.63@48.323,40.158 ; U11.18@48.323,51.258 ccw(c48.352,51.229) 48.311,51.229 48.311,50.165 cw(c47.575,50.165) 48.095,49.645 47.588,49.138 ; 48.895,47.295 cw(c49.289,46.901) 49.289,47.458 U11.12@50.623,47.458 ; 49.276,47.092 49.455,47.27 cw(c49.86,46.865) U11.12@49.86,47.438 ; 62.56,53.01 63.094,53.01 ; 62.763,53.34 63.094,53.01 ; 63.449,52.197 63.449,52.654 ; 63.957,52.146 63.449,52.654 ; 78.037,50.3 U6.7@79.375,50.3 ; 79.375,54.204 79.781,54.61 v1(79.934,54.61) 80.086,54.61 80.391,54.305 ; C45.1@88.43,37.592 88.469,37.631 R57.2@90.17,37.631 ; v1(88.519,33.909) 88.519,33.235 R56.2@88.9,32.854 88.9,32.766 v1(90.678,32.766) 90.678,33.655 91.186,34.163 ; v1(91.44,36.361) R57.2@90.17,37.631 ; v1(103.251,37.592) 103.251,37.144 100.905,34.798 91.821,34.798 ; 37.77,53.255 37.77,54.204 ; 37.77,53.255 37.948,53.077 ; 37.77,54.204 37.77,54.458 ; 37.77,54.204 38.811,55.257 ; 37.77,54.458 38.811,55.499 38.811,55.257 ; 63.094,53.01 63.449,52.654 ; R57.2@90.17,37.631 90.17,36.449 91.186,35.433 ; 91.186,34.163 91.186,34.544 ; 91.186,34.163 91.567,34.544 ; 91.186,34.544 91.567,34.544 ; 91.186,34.544 91.186,34.798 ; 91.186,34.798 91.821,34.798 ; 91.186,34.798 91.186,35.052 ; 91.186,35.052 91.567,35.052 ; 91.186,35.052 91.186,35.433 ; 91.186,35.433 91.567,35.052 ; 91.567,34.544 91.821,34.798 ; 91.567,35.052 91.821,34.798